# Altium PCB VALVEBOARD_Kun.PcbDoc (part 4 of 13)
Units mil, origin at the board's own origin, x right, y up, seen from the top; angles counter-clockwise.
Board outline 10923.41 x 5583.88 mil, 2 copper layers (Top Layer, Bottom Layer), stack 10.8 mil thick; 1127 components, 626 nets, 3503 pads, 1418 vias.
Unrouted connection lines stored in the file: 1.
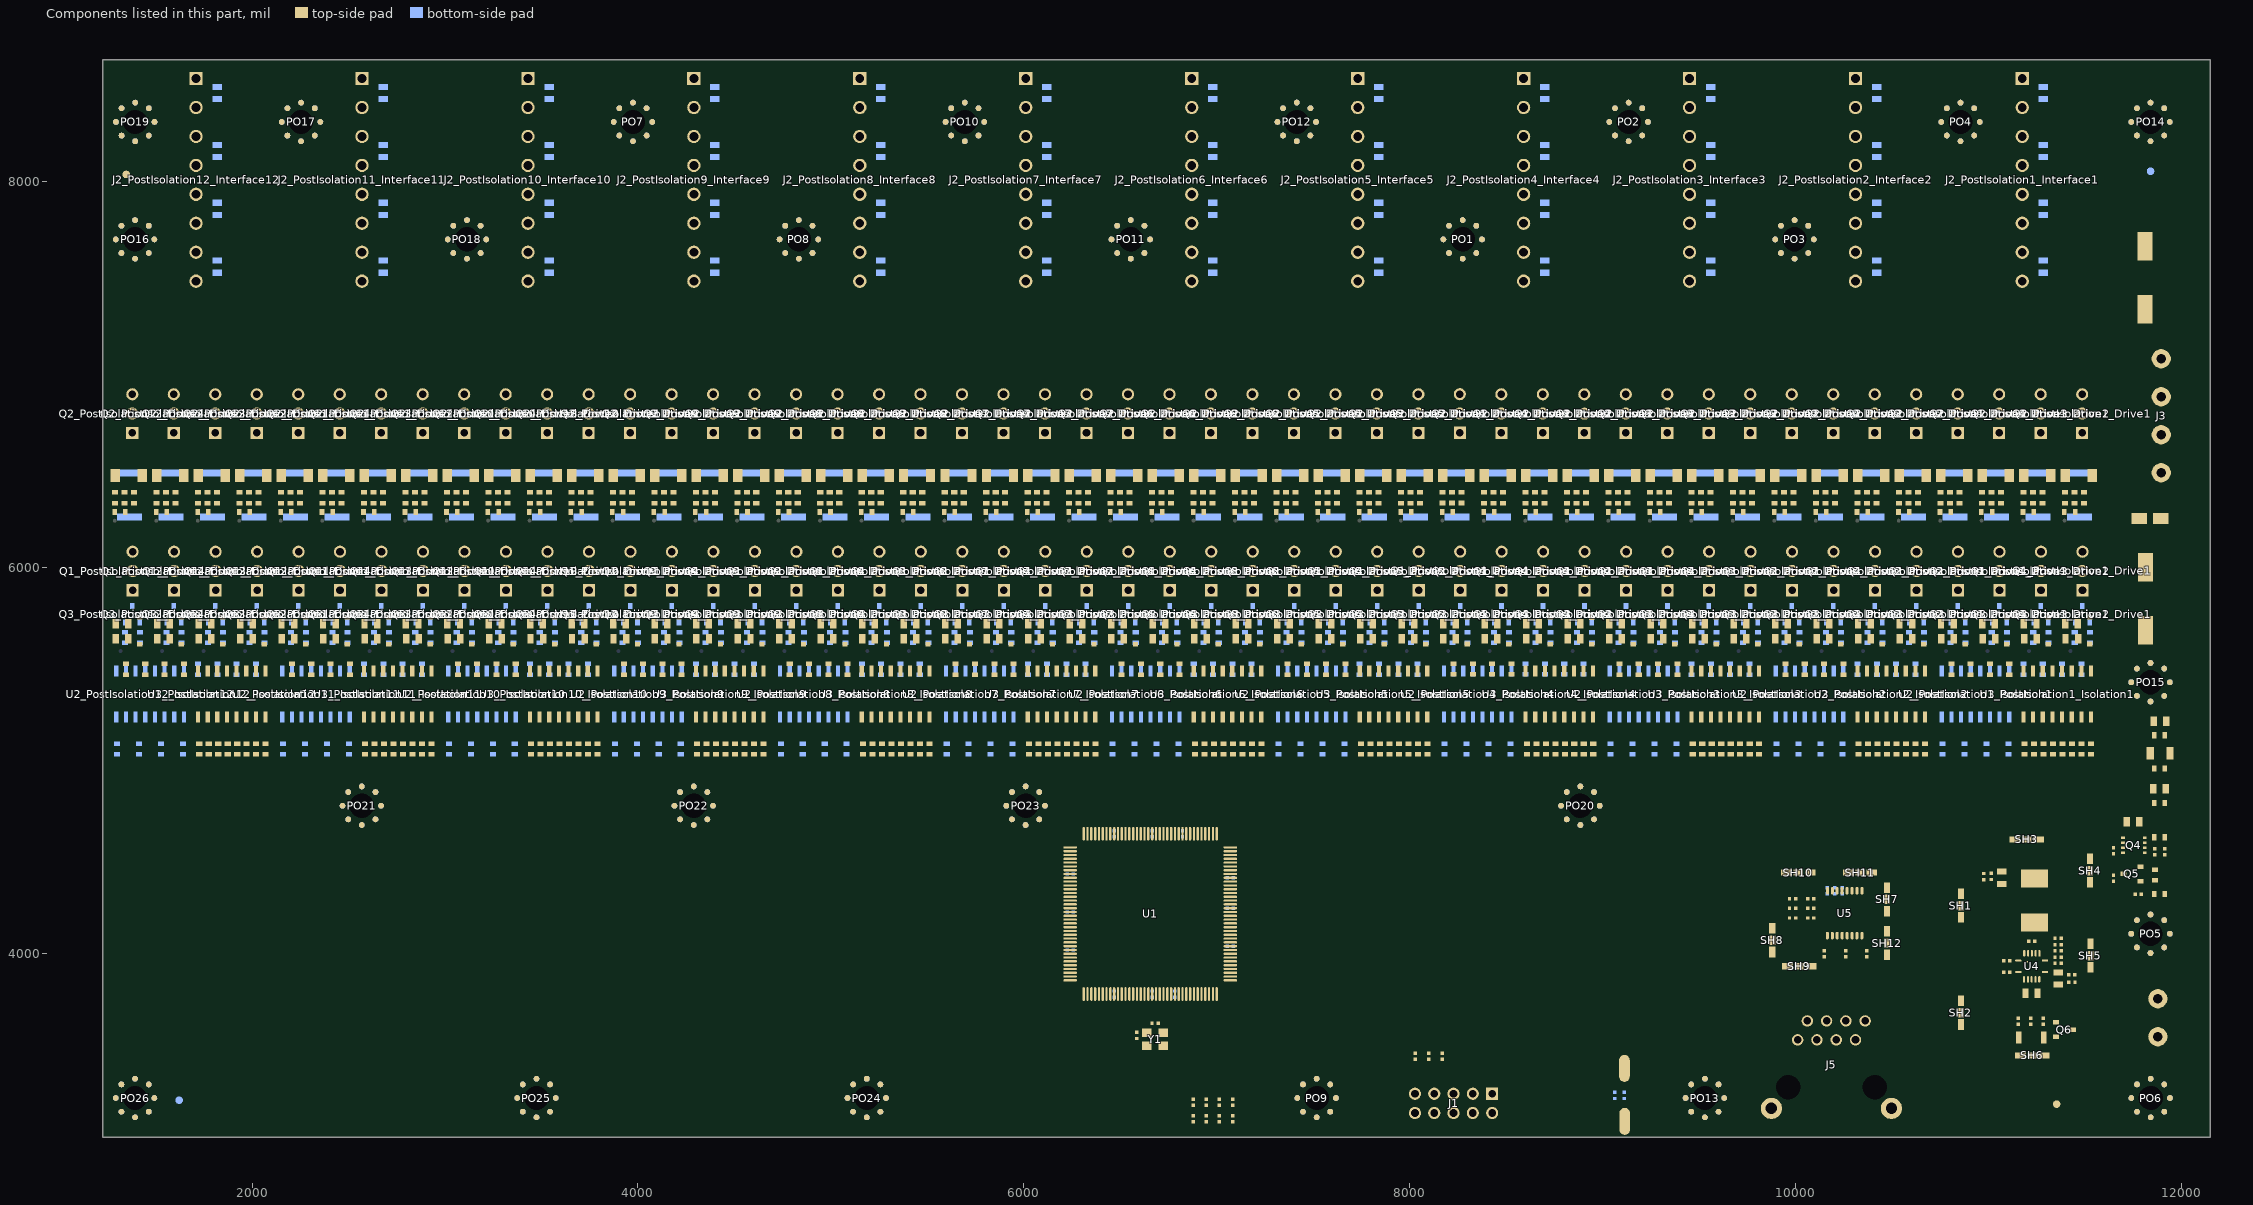
[diagram p4: the components of this part, seen from the top]

## Components (designator, comment, footprint, x,y, rotation, side; value= is the part's Value field where it differs from the comment) (continued)
R26_PostIsolation4_Drive2 "R" R0805 8635.56,5708.74 r180 top value=100K (schematic designator R26)
R26_PostIsolation4_Drive3 "R" R0805 8420.55,5708.74 r180 top value=100K (schematic designator R26)
R26_PostIsolation4_Drive4 "R" R0805 8205.53,5709.19 r180 top value=100K (schematic designator R26)
R26_PostIsolation5_Drive1 "R" R0805 7990.52,5708.74 r180 top value=100K (schematic designator R26)
R26_PostIsolation5_Drive2 "R" R0805 7775.5,5708.74 r180 top value=100K (schematic designator R26)
R26_PostIsolation5_Drive3 "R" R0805 7560.49,5708.74 r180 top value=100K (schematic designator R26)
R26_PostIsolation5_Drive4 "R" R0805 7345.47,5708.74 r180 top value=100K (schematic designator R26)
R26_PostIsolation6_Drive1 "R" R0805 7130.46,5708.74 r180 top value=100K (schematic designator R26)
R26_PostIsolation6_Drive2 "R" R0805 6915.44,5708.74 r180 top value=100K (schematic designator R26)
R26_PostIsolation6_Drive3 "R" R0805 6700.43,5708.74 r180 top value=100K (schematic designator R26)
R26_PostIsolation6_Drive4 "R" R0805 6485.41,5708.74 r180 top value=100K (schematic designator R26)
R26_PostIsolation7_Drive1 "R" R0805 6270.4,5708.74 r180 top value=100K (schematic designator R26)
R26_PostIsolation7_Drive2 "R" R0805 6055.38,5708.74 r180 top value=100K (schematic designator R26)
R26_PostIsolation7_Drive3 "R" R0805 5840.37,5708.74 r180 top value=100K (schematic designator R26)
R26_PostIsolation7_Drive4 "R" R0805 5625.35,5708.74 r180 top value=100K (schematic designator R26)
R26_PostIsolation8_Drive1 "R" R0805 5410.34,5708.74 r180 top value=100K (schematic designator R26)
R26_PostIsolation8_Drive2 "R" R0805 5195.32,5708.74 r180 top value=100K (schematic designator R26)
R26_PostIsolation8_Drive3 "R" R0805 4980.31,5708.74 r180 top value=100K (schematic designator R26)
R26_PostIsolation8_Drive4 "R" R0805 4765.29,5708.74 r180 top value=100K (schematic designator R26)
R26_PostIsolation9_Drive1 "R" R0805 4550.28,5708.74 r180 top value=100K (schematic designator R26)
R26_PostIsolation9_Drive2 "R" R0805 4335.26,5708.74 r180 top value=100K (schematic designator R26)
R26_PostIsolation9_Drive3 "R" R0805 4120.25,5708.74 r180 top value=100K (schematic designator R26)
R26_PostIsolation9_Drive4 "R" R0805 3905.23,5708.74 r180 top value=100K (schematic designator R26)
R26_PostIsolation10_Drive1 "R" R0805 3690.22,5708.74 r180 top value=100K (schematic designator R26)
R26_PostIsolation10_Drive2 "R" R0805 3475.2,5708.74 r180 top value=100K (schematic designator R26)
R26_PostIsolation10_Drive3 "R" R0805 3260.18,5708.74 r180 top value=100K (schematic designator R26)
R26_PostIsolation10_Drive4 "R" R0805 3045.17,5708.74 r180 top value=100K (schematic designator R26)
R26_PostIsolation11_Drive1 "R" R0805 2830.15,5708.74 r180 top value=100K (schematic designator R26)
R26_PostIsolation11_Drive2 "R" R0805 2615.14,5708.74 r180 top value=100K (schematic designator R26)
R26_PostIsolation11_Drive3 "R" R0805 2400.12,5708.74 r180 top value=100K (schematic designator R26)
R26_PostIsolation11_Drive4 "R" R0805 2185.11,5708.74 r180 top value=100K (schematic designator R26)
R26_PostIsolation12_Drive1 "R" R0805 1970.09,5708.74 r180 top value=100K (schematic designator R26)
R26_PostIsolation12_Drive2 "R" R0805 1755.08,5708.74 r180 top value=100K (schematic designator R26)
R26_PostIsolation12_Drive3 "R" R0805 1540.06,5708.74 r180 top value=100K (schematic designator R26)
R26_PostIsolation12_Drive4 "R" R0805 1325.05,5708.74 r180 top value=100K (schematic designator R26)
R27_PostIsolation1_Drive1 "R" R0603 11444.52,6361.84 r90 top value=4.7K (schematic designator R27)
R27_PostIsolation1_Drive2 "R" R0603 11229.51,6361.71 r90 top value=4.7K (schematic designator R27)
R27_PostIsolation1_Drive3 "R" R0603 11014.37,6361.71 r90 top value=4.7K (schematic designator R27)
R27_PostIsolation1_Drive4 "R" R0603 10799.59,6361.71 r90 top value=4.7K (schematic designator R27)
R27_PostIsolation2_Drive1 "R" R0603 10584.46,6361.71 r90 top value=4.7K (schematic designator R27)
R27_PostIsolation2_Drive2 "R" R0603 10369.45,6361.71 r90 top value=4.7K (schematic designator R27)
R27_PostIsolation2_Drive3 "R" R0603 10154.43,6361.71 r90 top value=4.7K (schematic designator R27)
R27_PostIsolation2_Drive4 "R" R0603 9939.42,6361.71 r90 top value=4.7K (schematic designator R27)
R27_PostIsolation3_Drive1 "R" R0603 9724.4,6361.71 r90 top value=4.7K (schematic designator R27)
R27_PostIsolation3_Drive2 "R" R0603 9509.39,6361.71 r90 top value=4.7K (schematic designator R27)
R27_PostIsolation3_Drive3 "R" R0603 9294.37,6361.71 r90 top value=4.7K (schematic designator R27)
R27_PostIsolation3_Drive4 "R" R0603 9079.36,6361.71 r90 top value=4.7K (schematic designator R27)
R27_PostIsolation4_Drive1 "R" R0603 8864.34,6361.58 r90 top value=4.7K (schematic designator R27)
R27_PostIsolation4_Drive2 "R" R0603 8649.33,6361.71 r90 top value=4.7K (schematic designator R27)
R27_PostIsolation4_Drive3 "R" R0603 8434.31,6361.71 r90 top value=4.7K (schematic designator R27)
R27_PostIsolation4_Drive4 "R" R0603 8219.3,6362.15 r90 top value=4.7K (schematic designator R27)
R27_PostIsolation5_Drive1 "R" R0603 8004.28,6361.71 r90 top value=4.7K (schematic designator R27)
R27_PostIsolation5_Drive2 "R" R0603 7789.27,6361.71 r90 top value=4.7K (schematic designator R27)
R27_PostIsolation5_Drive3 "R" R0603 7574.25,6361.71 r90 top value=4.7K (schematic designator R27)
R27_PostIsolation5_Drive4 "R" R0603 7359.24,6361.71 r90 top value=4.7K (schematic designator R27)
R27_PostIsolation6_Drive1 "R" R0603 7144.22,6361.71 r90 top value=4.7K (schematic designator R27)
R27_PostIsolation6_Drive2 "R" R0603 6929.21,6361.71 r90 top value=4.7K (schematic designator R27)
R27_PostIsolation6_Drive3 "R" R0603 6714.19,6361.71 r90 top value=4.7K (schematic designator R27)
R27_PostIsolation6_Drive4 "R" R0603 6499.18,6361.71 r90 top value=4.7K (schematic designator R27)
R27_PostIsolation7_Drive1 "R" R0603 6284.16,6361.71 r90 top value=4.7K (schematic designator R27)
R27_PostIsolation7_Drive2 "R" R0603 6069.15,6361.71 r90 top value=4.7K (schematic designator R27)
R27_PostIsolation7_Drive3 "R" R0603 5854.13,6361.71 r90 top value=4.7K (schematic designator R27)
R27_PostIsolation7_Drive4 "R" R0603 5639.12,6361.71 r90 top value=4.7K (schematic designator R27)
R27_PostIsolation8_Drive1 "R" R0603 5424.1,6361.71 r90 top value=4.7K (schematic designator R27)
R27_PostIsolation8_Drive2 "R" R0603 5209.08,6361.71 r90 top value=4.7K (schematic designator R27)
R27_PostIsolation8_Drive3 "R" R0603 4994.07,6361.71 r90 top value=4.7K (schematic designator R27)
R27_PostIsolation8_Drive4 "R" R0603 4779.05,6361.71 r90 top value=4.7K (schematic designator R27)
R27_PostIsolation9_Drive1 "R" R0603 4564.04,6361.71 r90 top value=4.7K (schematic designator R27)
R27_PostIsolation9_Drive2 "R" R0603 4349.02,6361.71 r90 top value=4.7K (schematic designator R27)
R27_PostIsolation9_Drive3 "R" R0603 4134.01,6361.71 r90 top value=4.7K (schematic designator R27)
R27_PostIsolation9_Drive4 "R" R0603 3918.99,6361.71 r90 top value=4.7K (schematic designator R27)
R27_PostIsolation10_Drive1 "R" R0603 3703.98,6361.71 r90 top value=4.7K (schematic designator R27)
R27_PostIsolation10_Drive2 "R" R0603 3488.96,6361.71 r90 top value=4.7K (schematic designator R27)
R27_PostIsolation10_Drive3 "R" R0603 3273.95,6361.71 r90 top value=4.7K (schematic designator R27)
R27_PostIsolation10_Drive4 "R" R0603 3058.93,6361.71 r90 top value=4.7K (schematic designator R27)
R27_PostIsolation11_Drive1 "R" R0603 2843.92,6361.71 r90 top value=4.7K (schematic designator R27)
R27_PostIsolation11_Drive2 "R" R0603 2628.9,6361.71 r90 top value=4.7K (schematic designator R27)
R27_PostIsolation11_Drive3 "R" R0603 2413.89,6361.71 r90 top value=4.7K (schematic designator R27)
R27_PostIsolation11_Drive4 "R" R0603 2198.87,6361.71 r90 top value=4.7K (schematic designator R27)
R27_PostIsolation12_Drive1 "R" R0603 1983.86,6361.71 r90 top value=4.7K (schematic designator R27)
R27_PostIsolation12_Drive2 "R" R0603 1768.84,6361.71 r90 top value=4.7K (schematic designator R27)
R27_PostIsolation12_Drive3 "R" R0603 1553.83,6361.71 r90 top value=4.7K (schematic designator R27)
R27_PostIsolation12_Drive4 "R" R0603 1338.81,6361.71 r90 top value=4.7K (schematic designator R27)
R28_PostIsolation1_Drive1 "R" R0603 11446.45,5637.87 r270 bottom value=10K (schematic designator R28)
R28_PostIsolation1_Drive2 "R" R0603 11231.45,5637.74 r270 bottom value=10K (schematic designator R28)
R28_PostIsolation1_Drive3 "R" R0603 11016.3,5637.74 r270 bottom value=10K (schematic designator R28)
R28_PostIsolation1_Drive4 "R" R0603 10801.52,5637.74 r270 bottom value=10K (schematic designator R28)
R28_PostIsolation2_Drive1 "R" R0603 10586.4,5637.74 r270 bottom value=10K (schematic designator R28)
R28_PostIsolation2_Drive2 "R" R0603 10371.38,5637.74 r270 bottom value=10K (schematic designator R28)
R28_PostIsolation2_Drive3 "R" R0603 10156.37,5637.74 r270 bottom value=10K (schematic designator R28)
R28_PostIsolation2_Drive4 "R" R0603 9941.35,5637.74 r270 bottom value=10K (schematic designator R28)
R28_PostIsolation3_Drive1 "R" R0603 9726.34,5637.74 r270 bottom value=10K (schematic designator R28)
R28_PostIsolation3_Drive2 "R" R0603 9511.32,5637.74 r270 bottom value=10K (schematic designator R28)
R28_PostIsolation3_Drive3 "R" R0603 9296.31,5637.74 r270 bottom value=10K (schematic designator R28)
R28_PostIsolation3_Drive4 "R" R0603 9081.29,5637.74 r270 bottom value=10K (schematic designator R28)
R28_PostIsolation4_Drive1 "R" R0603 8866.28,5637.61 r270 bottom value=10K (schematic designator R28)
R28_PostIsolation4_Drive2 "R" R0603 8651.26,5637.74 r270 bottom value=10K (schematic designator R28)
R28_PostIsolation4_Drive3 "R" R0603 8436.25,5637.74 r270 bottom value=10K (schematic designator R28)
R28_PostIsolation4_Drive4 "R" R0603 8221.23,5638.19 r270 bottom value=10K (schematic designator R28)
R28_PostIsolation5_Drive1 "R" R0603 8006.22,5637.74 r270 bottom value=10K (schematic designator R28)
R28_PostIsolation5_Drive2 "R" R0603 7791.2,5637.74 r270 bottom value=10K (schematic designator R28)
R28_PostIsolation5_Drive3 "R" R0603 7576.18,5637.74 r270 bottom value=10K (schematic designator R28)
R28_PostIsolation5_Drive4 "R" R0603 7361.17,5637.74 r270 bottom value=10K (schematic designator R28)
R28_PostIsolation6_Drive1 "R" R0603 7146.15,5637.74 r270 bottom value=10K (schematic designator R28)
R28_PostIsolation6_Drive2 "R" R0603 6931.14,5637.74 r270 bottom value=10K (schematic designator R28)
R28_PostIsolation6_Drive3 "R" R0603 6716.12,5637.74 r270 bottom value=10K (schematic designator R28)
R28_PostIsolation6_Drive4 "R" R0603 6501.11,5637.74 r270 bottom value=10K (schematic designator R28)
R28_PostIsolation7_Drive1 "R" R0603 6286.09,5637.74 r270 bottom value=10K (schematic designator R28)
R28_PostIsolation7_Drive2 "R" R0603 6071.08,5637.74 r270 bottom value=10K (schematic designator R28)
R28_PostIsolation7_Drive3 "R" R0603 5856.06,5637.74 r270 bottom value=10K (schematic designator R28)
R28_PostIsolation7_Drive4 "R" R0603 5641.05,5637.74 r270 bottom value=10K (schematic designator R28)
R28_PostIsolation8_Drive1 "R" R0603 5426.03,5637.74 r270 bottom value=10K (schematic designator R28)
R28_PostIsolation8_Drive2 "R" R0603 5211.02,5637.74 r270 bottom value=10K (schematic designator R28)
R28_PostIsolation8_Drive3 "R" R0603 4996,5637.74 r270 bottom value=10K (schematic designator R28)
R28_PostIsolation8_Drive4 "R" R0603 4780.99,5637.74 r270 bottom value=10K (schematic designator R28)
R28_PostIsolation9_Drive1 "R" R0603 4565.97,5637.74 r270 bottom value=10K (schematic designator R28)
R28_PostIsolation9_Drive2 "R" R0603 4350.96,5637.74 r270 bottom value=10K (schematic designator R28)
R28_PostIsolation9_Drive3 "R" R0603 4135.94,5637.74 r270 bottom value=10K (schematic designator R28)
R28_PostIsolation9_Drive4 "R" R0603 3920.93,5637.74 r270 bottom value=10K (schematic designator R28)
R28_PostIsolation10_Drive1 "R" R0603 3705.91,5637.74 r270 bottom value=10K (schematic designator R28)
R28_PostIsolation10_Drive2 "R" R0603 3490.9,5637.74 r270 bottom value=10K (schematic designator R28)
R28_PostIsolation10_Drive3 "R" R0603 3275.88,5637.74 r270 bottom value=10K (schematic designator R28)
R28_PostIsolation10_Drive4 "R" R0603 3060.87,5637.74 r270 bottom value=10K (schematic designator R28)
R28_PostIsolation11_Drive1 "R" R0603 2845.85,5637.74 r270 bottom value=10K (schematic designator R28)
R28_PostIsolation11_Drive2 "R" R0603 2630.84,5637.74 r270 bottom value=10K (schematic designator R28)
R28_PostIsolation11_Drive3 "R" R0603 2415.82,5637.74 r270 bottom value=10K (schematic designator R28)
R28_PostIsolation11_Drive4 "R" R0603 2200.8,5637.74 r270 bottom value=10K (schematic designator R28)
R28_PostIsolation12_Drive1 "R" R0603 1985.79,5637.74 r270 bottom value=10K (schematic designator R28)
R28_PostIsolation12_Drive2 "R" R0603 1770.77,5637.74 r270 bottom value=10K (schematic designator R28)
R28_PostIsolation12_Drive3 "R" R0603 1555.76,5637.74 r270 bottom value=10K (schematic designator R28)
R28_PostIsolation12_Drive4 "R" R0603 1340.74,5637.74 r270 bottom value=10K (schematic designator R28)
R29 "R" R1206 11889.41,5037.75 r180 top value=100K
R30 "R" R0805 11887.9,5203.85 r0 top value=10K
R31 "R" R0805 11886.02,4854.21 r0 top value=10K
R32 "R" R0402 11093.3,3961.79 r180 top value=47K
R33 "R" R0402 11360.05,4078.43 r0 top value=47K
R34 "R" R0402 11432.15,3850.74 r0 top value=47K
R35 "R" R0402 11360.05,4045.94 r180 top value=10K
R36 "R" R0402 11093.3,3901.65 r0 top value=100K
R37 "R" R0402 11360.05,3980.95 r180 top value=1.69K
R38 "R" R0402 11913.01,4526.39 r270 top value=1K
R39 "R" R0402 11775.33,4306.22 r180 top value=1K
R40 "R" R0402 11431.66,3888.87 r180 top value=15K
R41 "R" R0402 11282.36,3648.9 r90 top value=15K
R42 "R" R0402 11647.41,4532.56 r90 top value=100K
R43 "R" R0805 11749.23,4681.4 r180 top value=750R
R44 "R" R0402 11647.41,4388.94 r90 top value=1M
R45 "R" R0402 11218.07,3648.9 r270 top value=10K
R46 "R" R0402 10078.81,4283.7 r0 top value=1K
R47 "R" R0402 10078.81,4233.7 r0 top value=1K
R48 "R" R0402 10078.81,4183.7 r0 top value=1K
R49 "R" R0402 9983.81,4283.7 r0 top value=0
R50 "R" R0402 9983.81,4233.7 r0 top value=0
R51 "R" R0402 9983.81,4183.7 r0 top value=0
R52 "R" R0402 10368.81,3998.7 r90 top value=1K
R53 "R" R0402 10148.81,3998.7 r90 top value=1K
R54 "R" R0402 10258.81,3998.7 r90 top value=1K
SH1 "SHIELDSUPPORT" SHIELDSUPPORT1 10856.19,4248.18 r90 top
SH2 "SHIELDSUPPORT" SHIELDSUPPORT1 10856.19,3692.63 r90 top
SH3 "SHIELDSUPPORT" SHIELDSUPPORT1 11197.35,4590.82 r180 top
SH4 "SHIELDSUPPORT" SHIELDSUPPORT1 11526.49,4429.42 r90 top
SH5 "SHIELDSUPPORT" SHIELDSUPPORT1 11527.93,3989.19 r90 top
SH6 "SHIELDSUPPORT" SHIELDSUPPORT1 11226.56,3471.96 r180 top
SH7 "SHIELDSUPPORT" SHIELDSUPPORT1 10473.81,4279.92 r90 top
SH8 "SHIELDSUPPORT" SHIELDSUPPORT1 9878.81,4068.7 r270 top
SH9 "SHIELDSUPPORT" SHIELDSUPPORT1 10018.81,3933.7 r180 top
SH10 "SHIELDSUPPORT" SHIELDSUPPORT1 10013.81,4418.7 r180 top
SH11 "SHIELDSUPPORT" SHIELDSUPPORT1 10333.81,4418.7 r180 top
SH12 "SHIELDSUPPORT" SHIELDSUPPORT1 10473.81,4053.7 r90 top
U1 "EPM1270T144C5N" TQFP144_N 6655,4205 r90 top
U2_PostIsolation1_Isolation1 "IS281-4" PS2801 10932.18,5343.9 r90 bottom (schematic designator U2)
U2_PostIsolation2_Isolation2 "IS281-4" PS2801 10072.06,5343.92 r90 bottom (schematic designator U2)
U2_PostIsolation3_Isolation3 "IS281-4" PS2801 9212,5343.92 r90 bottom (schematic designator U2)
U2_PostIsolation4_Isolation4 "IS281-4" PS2801 8351.99,5344.35 r90 bottom (schematic designator U2)
U2_PostIsolation5_Isolation5 "IS281-4" PS2801 7491.93,5343.9 r90 bottom (schematic designator U2)
U2_PostIsolation6_Isolation6 "IS281-4" PS2801 6631.87,5343.9 r90 bottom (schematic designator U2)
U2_PostIsolation7_Isolation7 "IS281-4" PS2801 5771.81,5343.9 r90 bottom (schematic designator U2)
U2_PostIsolation8_Isolation8 "IS281-4" PS2801 4911.75,5343.9 r90 bottom (schematic designator U2)
U2_PostIsolation9_Isolation9 "IS281-4" PS2801 4051.69,5343.9 r90 bottom (schematic designator U2)
U2_PostIsolation10_Isolation10 "IS281-4" PS2801 3191.63,5343.9 r90 bottom (schematic designator U2)
U2_PostIsolation11_Isolation11 "IS281-4" PS2801 2331.57,5343.9 r90 bottom (schematic designator U2)
U2_PostIsolation12_Isolation12 "IS281-4" PS2801 1471.51,5343.9 r90 bottom (schematic designator U2)
U3_PostIsolation1_Isolation1 "IS281-4" PS2801 11355.68,5343.54 r90 top (schematic designator U3)
U3_PostIsolation2_Isolation2 "IS281-4" PS2801 10495.56,5343.56 r90 top (schematic designator U3)
U3_PostIsolation3_Isolation3 "IS281-4" PS2801 9635.5,5343.56 r90 top (schematic designator U3)
U3_PostIsolation4_Isolation4 "IS281-4" PS2801 8775.49,5343.98 r90 top (schematic designator U3)
U3_PostIsolation5_Isolation5 "IS281-4" PS2801 7915.43,5343.54 r90 top (schematic designator U3)
U3_PostIsolation6_Isolation6 "IS281-4" PS2801 7055.37,5343.54 r90 top (schematic designator U3)
U3_PostIsolation7_Isolation7 "IS281-4" PS2801 6195.31,5343.54 r90 top (schematic designator U3)
U3_PostIsolation8_Isolation8 "IS281-4" PS2801 5335.25,5343.54 r90 top (schematic designator U3)
U3_PostIsolation9_Isolation9 "IS281-4" PS2801 4475.19,5343.54 r90 top (schematic designator U3)
U3_PostIsolation10_Isolation10 "IS281-4" PS2801 3615.13,5343.54 r90 top (schematic designator U3)
U3_PostIsolation11_Isolation11 "IS281-4" PS2801 2755.07,5343.54 r90 top (schematic designator U3)
U3_PostIsolation12_Isolation12 "IS281-4" PS2801 1895,5343.54 r90 top (schematic designator U3)
U4 "TPS54620" TPS54620 11223.85,3932.95 r0 top
U5 "DS90LV048ATM" DS90LV048 10253.81,4208.7 r90 top
Y1 "XTAL" OSC3225 6680,3555 r0 top

## Footprints (in the part's own frame and the unit in brackets; to place one, negate y for a bottom-side part, rotate by r counter-clockwise, add the part's x,y. Pads: shape width x height; smd on the part's side, far side on the other; paste and mask are expansions set on the pad)
1N4148 [mil] "稳压二极管，高速开关二极管"
  rect 49x67 smd: 1(-70,0) 2(70,0)
  silkscreen extent -100,-39 100,39
2N7002 [mm] "SOT23, 3-Leads, Body 2.90x2.45mm, Pitch 0.95mm, IPC High Density"
  rect 0.8x0.6 smd: D(1.1,0) G(-1.1,0.95) S(-1.1,-0.95)
  silkscreen extent -0.3,-1.5 0.7,1.5, body extent -1.24,-1.5 1.22,1.5, height 1.04
AO3400A [mm] "SOT23, 3-Leads, Body 2.90x2.45mm, Pitch 0.95mm, IPC High Density"
  rect 0.8x0.6 smd: D(1.1,0) G(-1.1,0.95) S(-1.1,-0.95)
  silkscreen extent -0.3,-1.5 0.7,1.5
BSS131H6327XTSA1 [mm] "SOT23, 3-Leads, Body 2.90x2.45mm, Pitch 0.95mm, IPC High Density"
  rect 0.8x0.6 smd: D(1.1,0) G(-1.1,0.95) S(-1.1,-0.95)
  silkscreen extent -0.3,-1.5 0.7,1.5
C0402 [mm] "C0402"
  rect 0.45x0.45 smd: 1(-0.4,0) 2(0.4,0)
  silkscreen extent -0.75,-0.35 0.75,0.35, body extent -0.5,-0.25 0.5,0.25, height 0.52
C0603 [mm] "C0603"
  rect 0.6x0.8 smd: 1(-0.7,0) 2(0.7,0)
  silkscreen extent -1.1,-0.5 1.1,0.5, body extent -0.81,-0.4 0.79,0.41, height 0.5
C0805 [mm] "C0805"
  rect 0.8x1.25 smd: 1(-0.8,0) 2(0.8,0)
  silkscreen extent -1.35,-0.75 1.35,0.75, body extent -0.99,-0.66 1.01,0.67, height 1.19
C_10_10R2 [mm]
  rect 3.75x1.95 smd: 1(-4.15,0) 2(4.15,0)
  silkscreen extent -5.15,-5.15 5.15,5.15, body extent -5.25,-5.25 5.25,5.25, height 10.2
DS90LV048 [mm]
  oval 1x0.4 smd: 1(-2.95,2.275) 2(-2.95,1.625) 3(-2.95,0.975) 4(-2.95,0.325) 5(-2.95,-0.325) 6(-2.95,-0.975) 7(-2.95,-1.625) 8(-2.95,-2.275) 9(2.95,-2.275) 10(2.95,-1.625) 11(2.95,-0.975) 12(2.95,-0.325) 13(2.95,0.325) 14(2.95,0.975) 15(2.95,1.625) 16(2.95,2.275)
  silkscreen extent -2.2,-2.5 2.2,2.5, body extent -3.16,-2.51 3.26,2.49, height 1.2
FXL0624 [mm]
  rect 2.35x3.5 smd: 1(-2.9,0) 2(2.9,0)
  silkscreen extent -3.5,-3.3 3.5,3.3, body extent -3.74,-3.3 3.74,3.3, height 2.35
HDR2X5-NJ [mm]
  rect 1.6x1.6 hole 1.02: 1(-5.08,-1.27)
  round 1.6 hole 1.02: 2(-5.08,1.27) 3(-2.54,-1.27) 4(-2.54,1.27) 5(0,-1.27) 6(0,1.27) 7(2.54,-1.27) 8(2.54,1.27) 9(5.08,-1.27) 10(5.08,1.27)
  silkscreen extent -10.15,-4.45 10.15,4.45, body extent -10.15,-4.5 10.15,4.6, height 9
KEY735SO [mil] "KEY735SO"
  oval 140x55.12 smd: 1(-137.5,-1.9) 2(137.5,-0.9)
  silkscreen extent -138,-69 138,69, body extent -190,-65 190,65, height 197
KF15EDGK-3.81-8P [mm]
  rect 1.75x1.75 hole 1.15: 1(26.67,0)
  round 1.75 hole 1.15: 2(22.86,0) 3(19.05,0) 4(15.24,0) 5(11.43,0) 6(7.62,0) 7(3.81,0) 8(0,0)
  silkscreen extent -2.3,-2.8 28.98,4.2
KF301-5.0-2P [mm] "5.0间距螺钉端子"
  round 2.54 hole 1.27: 1(-2.5,0) 2(2.5,0)
  silkscreen extent -5.08,-3.23 5.46,4.57, body extent -5.03,-3.19 5.47,4.51, height 10.16
KF301-5.0-4P [mm]
  round 2.54 hole 1.27: 1(-7.5,0) 2(-2.5,0) 3(2.5,0) 4(7.5,0)
  silkscreen extent -10.08,-3.23 10.37,4.57
LED0603 [mm] "Chip LED, 2-Leads, Body 1.60x0.80mm, IPC High Density"
  rect 0.6x0.8 smd: 1(-0.7,0) 2(0.7,0)
  silkscreen extent -1.1,-0.56 1.1,0.56, body extent -0.85,-0.39 0.85,0.41, height 0.65
MARKPOINT-1.0#1 [mm]
  round 1 smd: ""(0,0)
  round 3 on Bottom Solder: ""(0,0)
  Top Layer pour cut-out: 0,-1.486 -0.569,-1.373 -1.051,-1.051 -1.373,-0.569 -1.486,0 -1.486,0 -1.373,0.569 -1.051,1.051 -0.569,1.373 0,1.486 0,1.486 0.569,1.373 1.051,1.051 1.373,0.569 1.486,0 1.486,0 1.373,-0.569 1.051,-1.051 0.569,-1.373 0,-1.486
MARKPOINT-1.0#2 [mm]
  round 1 smd: ""(0,0)
  round 3 on Top Solder: ""(0,0)
  Top Layer pour cut-out: 0,-1.486 -0.569,-1.373 -1.051,-1.051 -1.373,-0.569 -1.486,0 -1.486,0 -1.373,0.569 -1.051,1.051 -0.569,1.373 0,1.486 0,1.486 0.569,1.373 1.051,1.051 1.373,0.569 1.486,0 1.486,0 1.373,-0.569 1.051,-1.051 0.569,-1.373 0,-1.486
OSC3225 [mm]
  rect 1.25x1.1 smd: 1(-1.1,-0.85) 2(1.1,-0.85) 3(1.1,0.85) 4(-1.1,0.85)
  silkscreen extent -1.67,-1.27 1.65,1.27, body extent -1.6,-1.25 1.6,1.25, height 1.13
POSHOLE-3.2 [mil] "3.2mm hole"
  round 30 smd: ""(-100,0) ""(-70.71,-70.71) ""(-70.71,70.71) ""(0,-100) ""(0,100) ""(70.71,-70.71) ""(70.71,70.71) ""(100,0)
  round 30 smd far side: ""(-100,0) ""(-70.71,-70.71) ""(-70.71,70.71) ""(0,-100) ""(0,100) ""(70.71,-70.71) ""(70.71,70.71) ""(100,0)
  round 0 hole 125.98 unplated: ""(0,0)
  Top Layer pour cut-out: 0,-126.49 -48.41,-116.86 -89.44,-89.44 -116.86,-48.41 -126.49,0 -126.49,0 -116.86,48.41 -89.44,89.44 -48.41,116.86 0,126.49 0,126.49 48.41,116.86 89.44,89.44 116.86,48.41 126.49,0 126.49,0 116.86,-48.41 89.44,-89.44 48.41,-116.86 0,-126.49
  Bottom Layer pour cut-out: 0,-126.49 -48.41,-116.86 -89.44,-89.44 -116.86,-48.41 -126.49,0 -126.49,0 -116.86,48.41 -89.44,89.44 -48.41,116.86 0,126.49 0,126.49 48.41,116.86 89.44,89.44 116.86,48.41 126.49,0 126.49,0 116.86,-48.41 89.44,-89.44 48.41,-116.86 0,-126.49
  silkscreen extent -125,-125 125,125
PS2801 [mm] "SOP, 16-Leads, Body 10.28x4.40mm, Pitch 1.27mm, IPC High Density"
  rect 1.45x0.55 smd: 1(-3.025,4.445) 2(-3.025,3.175) 3(-3.025,1.905) 4(-3.025,0.635) 5(-3.025,-0.635) 6(-3.025,-1.905) 7(-3.025,-3.175) 8(-3.025,-4.445) 9(3.025,-4.445) 10(3.025,-3.175) 11(3.025,-1.905) 12(3.025,-0.635) 13(3.025,0.635) 14(3.025,1.905) 15(3.025,3.175) 16(3.025,4.445)
  silkscreen extent -2.2,-5.14 2.2,5.14
R0402 [mm] "R0402"
  rect 0.45x0.45 smd: 1(-0.4,0) 2(0.4,0)
  silkscreen extent -0.75,-0.35 0.75,0.35, body extent -0.51,-0.25 0.49,0.25, height 0.3
R0603 [mm] "R0603"
  rect 0.6x0.8 smd: 1(-0.7,-0.001) 2(0.7,-0.001)
  silkscreen extent -1.1,-0.5 1.1,0.5, body extent -0.8,-0.4 0.8,0.4, height 0.4
R0805 [mm] "Chip Resistor, 2-Leads, Body 2.00x1.25mm, IPC High Density"
  rect 0.85x1.25 smd: 1(-0.825,0) 2(0.825,0)
  silkscreen extent -1.35,-0.8 1.35,0.8, body extent -0.98,-0.63 1.02,0.62, height 0.5
R1206 [mm] "Chip Resistor, 2-Leads, Body 3.10x1.58mm, IPC High Density"
  rect 0.95x1.6 smd: 1(-1.3,0) 2(1.3,0)
  silkscreen extent -1.9,-0.95 1.9,0.95, body extent -1.61,-0.8 1.59,0.8, height 0.55
R2512 [mm] "Chip Resistor, 2-Leads, Body 6.35x3.20mm, IPC High Density"
  rect 0.95x3.3 smd: 1(-2.9,0) 2(2.9,0)
  silkscreen extent -2.05,-1.55 2.05,1.55
RJ45-UP [mm]
  round 1.5 hole 1: 1(4.44,5.76) 2(3.17,3.26) 3(1.9,5.76) 4(0.63,3.26) 5(-0.64,5.76) 6(-1.91,3.26) 7(-3.18,5.76) 8(-4.45,3.26)
  round 2.8 hole 1.5: SH1(-7.9,-5.76) SH2(7.9,-5.76)
  round 0 hole 3.2 unplated: ""(-5.7,-2.96) ""(5.7,-2.96)
  silkscreen extent -8,-9.46 8,7.24
SHIELDSUPPORT1 [mm] "YS0073A1 L4.4xW0.8xH0.8 0.2"
  rect 1.4x0.8 smd: SH(-1.555,0) SH(1.555,0)
  rect 1.25x0.8 smd: SH(0,0)
  silkscreen extent -2.3,-0.5 2.3,0.5
sod-123 [mm]
  rect 0.65x0.7 smd: 1(-1.775,0) 2(1.775,0)
  silkscreen extent -1.35,-0.8 1.35,0.8, body extent -1.85,-0.8 1.85,0.8, height 1.17
SS34 [mm] "Molded Diode, 2-Leads, Body 4.25x2.67mm, IPC High Density"
  rect 2.05x1.5 smd: 1(-1.425,0) 2(1.425,0)
  silkscreen extent -2.25,-1.4 2.25,1.4, body extent -2.35,-1.32 2.35,1.35, height 2.06
TO-220AB [mm] "TO, Thru-Hole, Vertical, Heatsink Mounted; 3 In-Line Leads; Pitch 2.54 mm"
  rect 1.6x1.6 hole 1: 1(-2.54,0)
  round 1.6 hole 1: 2(0,0) 3(2.54,0)
  silkscreen extent -5.35,-1.85 5.35,2.85, body extent -5.4,-1.9 5.4,2.9, height 19.3
TPS54620 [mm] "VQFN_3_5"
  oval 0.85x0.28 smd paste-0.04: 1(-1.763,-0.75) 7(1.737,-0.75) 8(1.737,0.75) 14(-1.763,0.75)
  oval 0.28x0.85 smd paste-0.04: 2(-1.013,-1.716) 3(-0.513,-1.716) 4(-0.013,-1.716) 5(0.487,-1.716) 6(0.987,-1.716) 9(1.013,1.725) 10(0.513,1.725) 11(0.013,1.725) 12(-0.487,1.725) 13(-0.987,1.725)
  rect 0.2x0.2 smd paste+0: 15(-0.6,0.6)
  Top Layer region: -1.025,-1.025 1.025,-1.025 1.025,1.025 -1.025,1.025
  Top Layer region: 1.013,-0.375 1.4,-0.375 1.4,0.375 1.013,0.375
  Top Layer region: 1.35,-0.375 2.125,-0.375 2.125,-0.175 1.35,-0.175
  Top Layer region: 1.35,0.175 2.125,0.175 2.125,0.375 1.35,0.375
  Top Layer region: -1.013,0.375 -1.4,0.375 -1.4,-0.375 -1.013,-0.375
  Top Layer region: -1.35,0.375 -2.124,0.375 -2.124,0.175 -1.35,0.175
  Top Layer region: -1.35,-0.175 -2.124,-0.175 -2.124,-0.375 -1.35,-0.375
  silkscreen extent -1.75,-1.75 1.75,1.75, body extent -1.77,-1.77 1.77,1.77, height 0.82
TQFP144_N [mm] "Thin QFP, 144-Leads, Body 20x20mm, Pitch 0.5mm, IPC Medium Density"
  oval 1.8x0.3 smd: 1(-10.55,8.75) 2(-10.55,8.25) 3(-10.55,7.75) 4(-10.55,7.25) 5(-10.55,6.75) 6(-10.55,6.25) 7(-10.55,5.75) 8(-10.55,5.25) 9(-10.55,4.75) 10(-10.55,4.25) 11(-10.55,3.75) 12(-10.55,3.25) 13(-10.55,2.75) 14(-10.55,2.25) 15(-10.55,1.75) 16(-10.55,1.25) 17(-10.55,0.75) 18(-10.55,0.25) 19(-10.55,-0.25) 20(-10.55,-0.75) 21(-10.55,-1.25) 22(-10.55,-1.75) 23(-10.55,-2.25) 24(-10.55,-2.75) 25(-10.55,-3.25) 26(-10.55,-3.75) 27(-10.55,-4.25) 28(-10.55,-4.75) 29(-10.55,-5.25) 30(-10.55,-5.75) 31(-10.55,-6.25) 32(-10.55,-6.75) 33(-10.55,-7.25) 34(-10.55,-7.75) 35(-10.55,-8.25) 36(-10.55,-8.75) 73(10.55,-8.75) 74(10.55,-8.25) 75(10.55,-7.75) 76(10.55,-7.25) 77(10.55,-6.75) 78(10.55,-6.25) 79(10.55,-5.75) 80(10.55,-5.25) 81(10.55,-4.75) 82(10.55,-4.25) 83(10.55,-3.75) 84(10.55,-3.25) 85(10.55,-2.75) 86(10.55,-2.25) 87(10.55,-1.75) 88(10.55,-1.25) 89(10.55,-0.75) 90(10.55,-0.25) 91(10.55,0.25) 92(10.55,0.75) 93(10.55,1.25) 94(10.55,1.75) 95(10.55,2.25) 96(10.55,2.75) 97(10.55,3.25) 98(10.55,3.75) 99(10.55,4.25) 100(10.55,4.75) 101(10.55,5.25) 102(10.55,5.75) 103(10.55,6.25) 104(10.55,6.75) 105(10.55,7.25) 106(10.55,7.75) 107(10.55,8.25) 108(10.55,8.75)